# KiCad board SparkFun_Pro_Mini-ESP32_panelized.kicad_pcb (continued)
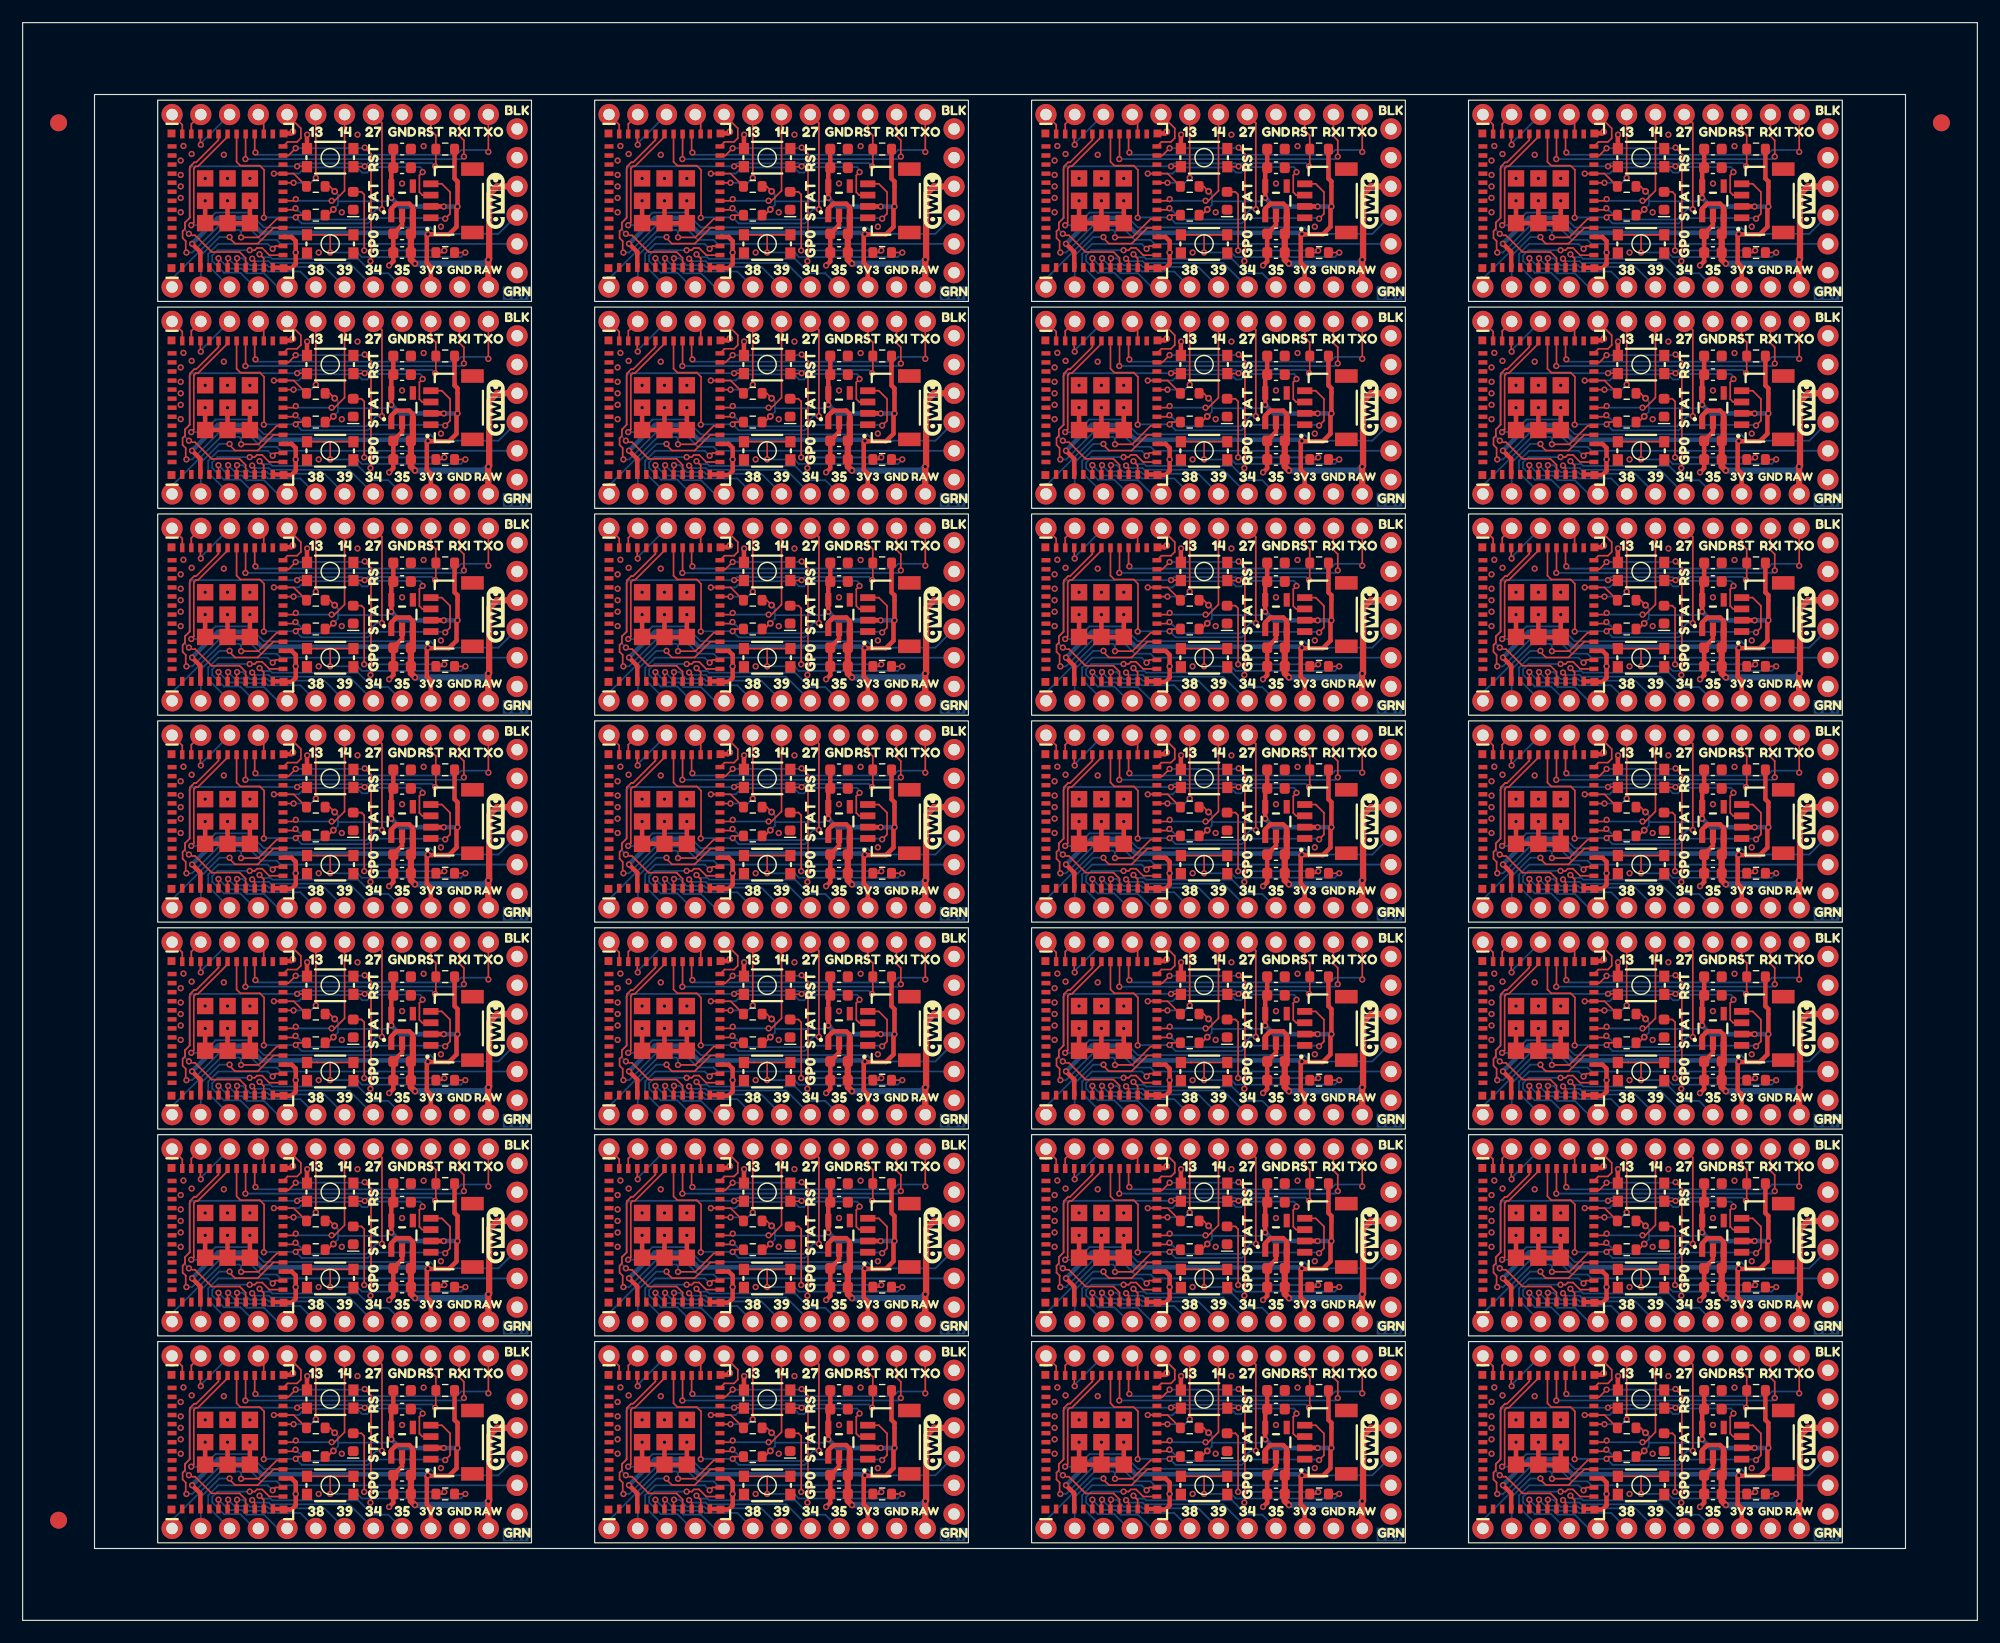
[diagram p0: board, top side]
## Placement (name value [footprint] x y rotation side) (continued)
kibuzzard-64DED707#12  G***  [kibuzzard-64DED707]  149.32 82.76 0 top
kibuzzard-64DED707#13  G***  [kibuzzard-64DED707]  110.72 82.76 0 top
kibuzzard-64DED707#14  G***  [kibuzzard-64DED707]  72.12 101.04 0 top
kibuzzard-64DED707#15  G***  [kibuzzard-64DED707]  33.52 101.04 0 top
kibuzzard-64DED707#16  G***  [kibuzzard-64DED707]  110.72 46.2 0 top
kibuzzard-64DED707#17  G***  [kibuzzard-64DED707]  72.12 82.76 0 top
kibuzzard-64DED707#18  G***  [kibuzzard-64DED707]  33.52 82.76 0 top
kibuzzard-64DED707#19  G***  [kibuzzard-64DED707]  72.12 27.92 0 top
kibuzzard-64DED707#20  G***  [kibuzzard-64DED707]  149.32 27.92 0 top
kibuzzard-64DED707#21  G***  [kibuzzard-64DED707]  110.72 9.64 0 top
kibuzzard-64DED707#22  G***  [kibuzzard-64DED707]  110.72 119.32 0 top
kibuzzard-64DED707#23  G***  [kibuzzard-64DED707]  72.12 46.2 0 top
kibuzzard-64DED707#24  G***  [kibuzzard-64DED707]  33.52 119.32 0 top
kibuzzard-64DED707#25  G***  [kibuzzard-64DED707]  72.12 9.64 0 top
kibuzzard-64DED707#26  G***  [kibuzzard-64DED707]  33.52 46.2 0 top
kibuzzard-64DED707#27  G***  [kibuzzard-64DED707]  33.52 27.92 0 top
kibuzzard-64DED707#28  G***  [kibuzzard-64DED707]  72.12 64.48 0 top
kibuzzard-64DED712  G***  [kibuzzard-64DED712]  28.44 101.04 0 top
kibuzzard-64DED712#2  G***  [kibuzzard-64DED712]  28.44 82.76 0 top
kibuzzard-64DED712#3  G***  [kibuzzard-64DED712]  105.64 9.64 0 top
kibuzzard-64DED712#4  G***  [kibuzzard-64DED712]  28.44 27.92 0 top
kibuzzard-64DED712#5  G***  [kibuzzard-64DED712]  28.44 46.2 0 top
kibuzzard-64DED712#6  G***  [kibuzzard-64DED712]  144.24 82.76 0 top
kibuzzard-64DED712#7  G***  [kibuzzard-64DED712]  144.24 64.48 0 top
kibuzzard-64DED712#8  G***  [kibuzzard-64DED712]  67.04 27.92 0 top
kibuzzard-64DED712#9  G***  [kibuzzard-64DED712]  105.64 82.76 0 top
kibuzzard-64DED712#10  G***  [kibuzzard-64DED712]  144.24 101.04 0 top
kibuzzard-64DED712#11  G***  [kibuzzard-64DED712]  144.24 119.32 0 top
kibuzzard-64DED712#12  G***  [kibuzzard-64DED712]  105.64 27.92 0 top
kibuzzard-64DED712#13  G***  [kibuzzard-64DED712]  105.64 101.04 0 top
kibuzzard-64DED712#14  G***  [kibuzzard-64DED712]  67.04 101.04 0 top
kibuzzard-64DED712#15  G***  [kibuzzard-64DED712]  67.04 9.64 0 top
kibuzzard-64DED712#16  G***  [kibuzzard-64DED712]  67.04 46.2 0 top
kibuzzard-64DED712#17  G***  [kibuzzard-64DED712]  67.04 82.76 0 top
kibuzzard-64DED712#18  G***  [kibuzzard-64DED712]  67.04 64.48 0 top
kibuzzard-64DED712#19  G***  [kibuzzard-64DED712]  144.24 46.2 0 top
kibuzzard-64DED712#20  G***  [kibuzzard-64DED712]  67.04 119.32 0 top
kibuzzard-64DED712#21  G***  [kibuzzard-64DED712]  105.64 119.32 0 top
kibuzzard-64DED712#22  G***  [kibuzzard-64DED712]  28.44 119.32 0 top
kibuzzard-64DED712#23  G***  [kibuzzard-64DED712]  144.24 9.64 0 top
kibuzzard-64DED712#24  G***  [kibuzzard-64DED712]  105.64 64.48 0 top
kibuzzard-64DED712#25  G***  [kibuzzard-64DED712]  28.44 64.48 0 top
kibuzzard-64DED712#26  G***  [kibuzzard-64DED712]  28.44 9.64 0 top
kibuzzard-64DED712#27  G***  [kibuzzard-64DED712]  144.24 27.92 0 top
kibuzzard-64DED712#28  G***  [kibuzzard-64DED712]  105.64 46.2 0 top
kibuzzard-64DED757  G***  [kibuzzard-64DED757]  82.28 117.42 0 top
kibuzzard-64DED757#2  G***  [kibuzzard-64DED757]  159.48 117.42 0 top
kibuzzard-64DED757#3  G***  [kibuzzard-64DED757]  159.48 62.58 0 top
kibuzzard-64DED757#4  G***  [kibuzzard-64DED757]  120.88 99.14 0 top
kibuzzard-64DED757#5  G***  [kibuzzard-64DED757]  120.88 117.42 0 top
kibuzzard-64DED757#6  G***  [kibuzzard-64DED757]  43.68 44.3 0 top
kibuzzard-64DED757#7  G***  [kibuzzard-64DED757]  43.68 80.86 0 top
kibuzzard-64DED757#8  G***  [kibuzzard-64DED757]  43.68 99.14 0 top
kibuzzard-64DED757#9  G***  [kibuzzard-64DED757]  159.48 44.3 0 top
kibuzzard-64DED757#10  G***  [kibuzzard-64DED757]  120.88 80.86 0 top
kibuzzard-64DED757#11  G***  [kibuzzard-64DED757]  82.28 7.74 0 top
kibuzzard-64DED757#12  G***  [kibuzzard-64DED757]  159.48 99.14 0 top
kibuzzard-64DED757#13  G***  [kibuzzard-64DED757]  82.28 99.14 0 top
kibuzzard-64DED757#14  G***  [kibuzzard-64DED757]  82.28 26.02 0 top
kibuzzard-64DED757#15  G***  [kibuzzard-64DED757]  120.88 44.3 0 top
kibuzzard-64DED757#16  G***  [kibuzzard-64DED757]  43.68 26.02 0 top
kibuzzard-64DED757#17  G***  [kibuzzard-64DED757]  82.28 62.58 0 top
kibuzzard-64DED757#18  G***  [kibuzzard-64DED757]  43.68 7.74 0 top
kibuzzard-64DED757#19  G***  [kibuzzard-64DED757]  82.28 44.3 0 top
kibuzzard-64DED757#20  G***  [kibuzzard-64DED757]  43.68 62.58 0 top
kibuzzard-64DED757#21  G***  [kibuzzard-64DED757]  120.88 26.02 0 top
kibuzzard-64DED757#22  G***  [kibuzzard-64DED757]  159.48 7.74 0 top
kibuzzard-64DED757#23  G***  [kibuzzard-64DED757]  159.48 80.86 0 top
kibuzzard-64DED757#24  G***  [kibuzzard-64DED757]  82.28 80.86 0 top
kibuzzard-64DED757#25  G***  [kibuzzard-64DED757]  120.88 62.58 0 top
kibuzzard-64DED757#26  G***  [kibuzzard-64DED757]  120.88 7.74 0 top
kibuzzard-64DED757#27  G***  [kibuzzard-64DED757]  43.68 117.42 0 top
kibuzzard-64DED757#28  G***  [kibuzzard-64DED757]  159.48 26.02 0 top
kibuzzard-64DED800  G***  [kibuzzard-64DED800]  15.74 58.4 180 bottom
kibuzzard-64DED800#2  G***  [kibuzzard-64DED800]  54.34 40.12 180 bottom
kibuzzard-64DED800#3  G***  [kibuzzard-64DED800]  131.54 131.52 180 bottom
kibuzzard-64DED800#4  G***  [kibuzzard-64DED800]  54.34 76.68 180 bottom
kibuzzard-64DED800#5  G***  [kibuzzard-64DED800]  54.34 58.4 180 bottom
kibuzzard-64DED800#6  G***  [kibuzzard-64DED800]  15.74 113.24 180 bottom
kibuzzard-64DED800#7  G***  [kibuzzard-64DED800]  131.54 76.68 180 bottom
kibuzzard-64DED800#8  G***  [kibuzzard-64DED800]  92.94 21.84 180 bottom
kibuzzard-64DED800#9  G***  [kibuzzard-64DED800]  15.74 76.68 180 bottom
kibuzzard-64DED800#10  G***  [kibuzzard-64DED800]  15.74 40.12 180 bottom
kibuzzard-64DED800#11  G***  [kibuzzard-64DED800]  131.54 94.96 180 bottom
kibuzzard-64DED800#12  G***  [kibuzzard-64DED800]  15.74 21.84 180 bottom
kibuzzard-64DED800#13  G***  [kibuzzard-64DED800]  92.94 58.4 180 bottom
kibuzzard-64DED800#14  G***  [kibuzzard-64DED800]  131.54 21.84 180 bottom
kibuzzard-64DED800#15  G***  [kibuzzard-64DED800]  54.34 131.52 180 bottom
kibuzzard-64DED800#16  G***  [kibuzzard-64DED800]  54.34 94.96 180 bottom
kibuzzard-64DED800#17  G***  [kibuzzard-64DED800]  92.94 76.68 180 bottom
kibuzzard-64DED800#18  G***  [kibuzzard-64DED800]  92.94 113.24 180 bottom
kibuzzard-64DED800#19  G***  [kibuzzard-64DED800]  92.94 94.96 180 bottom
kibuzzard-64DED800#20  G***  [kibuzzard-64DED800]  15.74 131.52 180 bottom
kibuzzard-64DED800#21  G***  [kibuzzard-64DED800]  131.54 58.4 180 bottom
kibuzzard-64DED800#22  G***  [kibuzzard-64DED800]  54.34 113.24 180 bottom
kibuzzard-64DED800#23  G***  [kibuzzard-64DED800]  92.94 40.12 180 bottom
kibuzzard-64DED800#24  G***  [kibuzzard-64DED800]  15.74 94.96 180 bottom
kibuzzard-64DED800#25  G***  [kibuzzard-64DED800]  131.54 40.12 180 bottom
kibuzzard-64DED800#26  G***  [kibuzzard-64DED800]  54.34 21.84 180 bottom
kibuzzard-64DED800#27  G***  [kibuzzard-64DED800]  131.54 113.24 180 bottom
kibuzzard-64DED800#28  G***  [kibuzzard-64DED800]  92.94 131.52 180 bottom
kibuzzard-64DED804  G***  [kibuzzard-64DED804]  51.8 113.24 180 bottom
kibuzzard-64DED804#2  G***  [kibuzzard-64DED804]  129 94.96 180 bottom
kibuzzard-64DED804#3  G***  [kibuzzard-64DED804]  13.2 40.12 180 bottom
kibuzzard-64DED804#4  G***  [kibuzzard-64DED804]  13.2 58.4 180 bottom
kibuzzard-64DED804#5  G***  [kibuzzard-64DED804]  129 131.52 180 bottom
kibuzzard-64DED804#6  G***  [kibuzzard-64DED804]  90.4 76.68 180 bottom
kibuzzard-64DED804#7  G***  [kibuzzard-64DED804]  129 113.24 180 bottom
kibuzzard-64DED804#8  G***  [kibuzzard-64DED804]  129 40.12 180 bottom
kibuzzard-64DED804#9  G***  [kibuzzard-64DED804]  90.4 131.52 180 bottom
kibuzzard-64DED804#10  G***  [kibuzzard-64DED804]  51.8 76.68 180 bottom
kibuzzard-64DED804#11  G***  [kibuzzard-64DED804]  13.2 76.68 180 bottom
kibuzzard-64DED804#12  G***  [kibuzzard-64DED804]  51.8 40.12 180 bottom
kibuzzard-64DED804#13  G***  [kibuzzard-64DED804]  129 21.84 180 bottom
kibuzzard-64DED804#14  G***  [kibuzzard-64DED804]  51.8 94.96 180 bottom
kibuzzard-64DED804#15  G***  [kibuzzard-64DED804]  90.4 40.12 180 bottom
kibuzzard-64DED804#16  G***  [kibuzzard-64DED804]  13.2 131.52 180 bottom
kibuzzard-64DED804#17  G***  [kibuzzard-64DED804]  90.4 113.24 180 bottom
kibuzzard-64DED804#18  G***  [kibuzzard-64DED804]  129 76.68 180 bottom
kibuzzard-64DED804#19  G***  [kibuzzard-64DED804]  129 58.4 180 bottom
kibuzzard-64DED804#20  G***  [kibuzzard-64DED804]  90.4 58.4 180 bottom
kibuzzard-64DED804#21  G***  [kibuzzard-64DED804]  13.2 94.96 180 bottom
kibuzzard-64DED804#22  G***  [kibuzzard-64DED804]  90.4 94.96 180 bottom
kibuzzard-64DED804#23  G***  [kibuzzard-64DED804]  51.8 131.52 180 bottom
kibuzzard-64DED804#24  G***  [kibuzzard-64DED804]  13.2 21.84 180 bottom
kibuzzard-64DED804#25  G***  [kibuzzard-64DED804]  51.8 58.4 180 bottom
kibuzzard-64DED804#26  G***  [kibuzzard-64DED804]  51.8 21.84 180 bottom
kibuzzard-64DED804#27  G***  [kibuzzard-64DED804]  13.2 113.24 180 bottom
kibuzzard-64DED804#28  G***  [kibuzzard-64DED804]  90.4 21.84 180 bottom
kibuzzard-64DEDA6E  G***  [kibuzzard-64DEDA6E]  128.87 18.79 180 bottom
kibuzzard-64DEDA6E#2  G***  [kibuzzard-64DEDA6E]  13.07 37.07 180 bottom
kibuzzard-64DEDA6E#3  G***  [kibuzzard-64DEDA6E]  90.27 55.35 180 bottom
kibuzzard-64DEDA6E#4  G***  [kibuzzard-64DEDA6E]  128.87 73.63 180 bottom
kibuzzard-64DEDA6E#5  G***  [kibuzzard-64DEDA6E]  51.67 55.35 180 bottom
kibuzzard-64DEDA6E#6  G***  [kibuzzard-64DEDA6E]  90.27 73.63 180 bottom
kibuzzard-64DEDA6E#7  G***  [kibuzzard-64DEDA6E]  90.27 110.19 180 bottom
kibuzzard-64DEDA6E#8  G***  [kibuzzard-64DEDA6E]  13.07 55.35 180 bottom
kibuzzard-64DEDA6E#9  G***  [kibuzzard-64DEDA6E]  128.87 128.47 180 bottom
kibuzzard-64DEDA6E#10  G***  [kibuzzard-64DEDA6E]  128.87 91.91 180 bottom
kibuzzard-64DEDA6E#11  G***  [kibuzzard-64DEDA6E]  13.07 18.79 180 bottom
kibuzzard-64DEDA6E#12  G***  [kibuzzard-64DEDA6E]  128.87 55.35 180 bottom
kibuzzard-64DEDA6E#13  G***  [kibuzzard-64DEDA6E]  13.07 73.63 180 bottom
kibuzzard-64DEDA6E#14  G***  [kibuzzard-64DEDA6E]  51.67 73.63 180 bottom
kibuzzard-64DEDA6E#15  G***  [kibuzzard-64DEDA6E]  51.67 91.91 180 bottom
kibuzzard-64DEDA6E#16  G***  [kibuzzard-64DEDA6E]  90.27 37.07 180 bottom
kibuzzard-64DEDA6E#17  G***  [kibuzzard-64DEDA6E]  51.67 18.79 180 bottom
kibuzzard-64DEDA6E#18  G***  [kibuzzard-64DEDA6E]  128.87 110.19 180 bottom
kibuzzard-64DEDA6E#19  G***  [kibuzzard-64DEDA6E]  90.27 91.91 180 bottom
kibuzzard-64DEDA6E#20  G***  [kibuzzard-64DEDA6E]  51.67 110.19 180 bottom
kibuzzard-64DEDA6E#21  G***  [kibuzzard-64DEDA6E]  90.27 128.47 180 bottom
kibuzzard-64DEDA6E#22  G***  [kibuzzard-64DEDA6E]  13.07 91.91 180 bottom
kibuzzard-64DEDA6E#23  G***  [kibuzzard-64DEDA6E]  51.67 37.07 180 bottom
kibuzzard-64DEDA6E#24  G***  [kibuzzard-64DEDA6E]  13.07 128.47 180 bottom
kibuzzard-64DEDA6E#25  G***  [kibuzzard-64DEDA6E]  128.87 37.07 180 bottom
kibuzzard-64DEDA6E#26  G***  [kibuzzard-64DEDA6E]  13.07 110.19 180 bottom
kibuzzard-64DEDA6E#27  G***  [kibuzzard-64DEDA6E]  51.67 128.47 180 bottom
kibuzzard-64DEDA6E#28  G***  [kibuzzard-64DEDA6E]  90.27 18.79 180 bottom
kibuzzard-64DEDA75  G***  [kibuzzard-64DEDA75]  129.63 108.92 180 bottom
kibuzzard-64DEDA75#2  G***  [kibuzzard-64DEDA75]  52.43 127.2 180 bottom
kibuzzard-64DEDA75#3  G***  [kibuzzard-64DEDA75]  129.63 35.8 180 bottom
kibuzzard-64DEDA75#4  G***  [kibuzzard-64DEDA75]  91.04 17.52 180 bottom
kibuzzard-64DEDA75#5  G***  [kibuzzard-64DEDA75]  129.63 72.36 180 bottom
kibuzzard-64DEDA75#6  G***  [kibuzzard-64DEDA75]  52.43 72.36 180 bottom
kibuzzard-64DEDA75#7  G***  [kibuzzard-64DEDA75]  91.04 90.64 180 bottom
kibuzzard-64DEDA75#8  G***  [kibuzzard-64DEDA75]  13.83 127.2 180 bottom
kibuzzard-64DEDA75#9  G***  [kibuzzard-64DEDA75]  91.04 108.92 180 bottom
kibuzzard-64DEDA75#10  G***  [kibuzzard-64DEDA75]  13.83 90.64 180 bottom
kibuzzard-64DEDA75#11  G***  [kibuzzard-64DEDA75]  129.63 17.52 180 bottom
kibuzzard-64DEDA75#12  G***  [kibuzzard-64DEDA75]  91.04 72.36 180 bottom
kibuzzard-64DEDA75#13  G***  [kibuzzard-64DEDA75]  129.63 90.64 180 bottom
kibuzzard-64DEDA75#14  G***  [kibuzzard-64DEDA75]  13.83 72.36 180 bottom
kibuzzard-64DEDA75#15  G***  [kibuzzard-64DEDA75]  13.83 54.08 180 bottom
kibuzzard-64DEDA75#16  G***  [kibuzzard-64DEDA75]  52.43 17.52 180 bottom
kibuzzard-64DEDA75#17  G***  [kibuzzard-64DEDA75]  13.83 17.52 180 bottom
kibuzzard-64DEDA75#18  G***  [kibuzzard-64DEDA75]  13.83 108.92 180 bottom
kibuzzard-64DEDA75#19  G***  [kibuzzard-64DEDA75]  91.04 127.2 180 bottom
kibuzzard-64DEDA75#20  G***  [kibuzzard-64DEDA75]  52.43 54.08 180 bottom
kibuzzard-64DEDA75#21  G***  [kibuzzard-64DEDA75]  13.83 35.8 180 bottom
kibuzzard-64DEDA75#22  G***  [kibuzzard-64DEDA75]  129.63 127.2 180 bottom
kibuzzard-64DEDA75#23  G***  [kibuzzard-64DEDA75]  52.43 90.64 180 bottom
kibuzzard-64DEDA75#24  G***  [kibuzzard-64DEDA75]  91.04 35.8 180 bottom
kibuzzard-64DEDA75#25  G***  [kibuzzard-64DEDA75]  129.63 54.08 180 bottom
kibuzzard-64DEDA75#26  G***  [kibuzzard-64DEDA75]  52.43 108.92 180 bottom
kibuzzard-64DEDA75#27  G***  [kibuzzard-64DEDA75]  91.04 54.08 180 bottom
kibuzzard-64DEDA75#28  G***  [kibuzzard-64DEDA75]  52.43 35.8 180 bottom
kibuzzard-64DEDAB2  G***  [kibuzzard-64DEDAB2]  53.07 74.9 180 bottom
kibuzzard-64DEDAB2#2  G***  [kibuzzard-64DEDAB2]  91.67 93.18 180 bottom
kibuzzard-64DEDAB2#3  G***  [kibuzzard-64DEDAB2]  53.07 111.46 180 bottom
kibuzzard-64DEDAB2#4  G***  [kibuzzard-64DEDAB2]  91.67 129.74 180 bottom
kibuzzard-64DEDAB2#5  G***  [kibuzzard-64DEDAB2]  130.27 93.18 180 bottom
kibuzzard-64DEDAB2#6  G***  [kibuzzard-64DEDAB2]  14.47 93.18 180 bottom
kibuzzard-64DEDAB2#7  G***  [kibuzzard-64DEDAB2]  53.07 38.34 180 bottom
kibuzzard-64DEDAB2#8  G***  [kibuzzard-64DEDAB2]  91.67 38.34 180 bottom
kibuzzard-64DEDAB2#9  G***  [kibuzzard-64DEDAB2]  130.27 111.46 180 bottom
kibuzzard-64DEDAB2#10  G***  [kibuzzard-64DEDAB2]  14.47 20.06 180 bottom
kibuzzard-64DEDAB2#11  G***  [kibuzzard-64DEDAB2]  53.07 20.06 180 bottom
kibuzzard-64DEDAB2#12  G***  [kibuzzard-64DEDAB2]  130.27 129.74 180 bottom
kibuzzard-64DEDAB2#13  G***  [kibuzzard-64DEDAB2]  91.67 20.06 180 bottom
kibuzzard-64DEDAB2#14  G***  [kibuzzard-64DEDAB2]  53.07 56.62 180 bottom
kibuzzard-64DEDAB2#15  G***  [kibuzzard-64DEDAB2]  14.47 129.74 180 bottom
kibuzzard-64DEDAB2#16  G***  [kibuzzard-64DEDAB2]  91.67 74.9 180 bottom
kibuzzard-64DEDAB2#17  G***  [kibuzzard-64DEDAB2]  53.07 93.18 180 bottom
kibuzzard-64DEDAB2#18  G***  [kibuzzard-64DEDAB2]  14.47 56.62 180 bottom
kibuzzard-64DEDAB2#19  G***  [kibuzzard-64DEDAB2]  130.27 56.62 180 bottom
kibuzzard-64DEDAB2#20  G***  [kibuzzard-64DEDAB2]  130.27 20.06 180 bottom
kibuzzard-64DEDAB2#21  G***  [kibuzzard-64DEDAB2]  91.67 111.46 180 bottom
kibuzzard-64DEDAB2#22  G***  [kibuzzard-64DEDAB2]  14.47 74.9 180 bottom
kibuzzard-64DEDAB2#23  G***  [kibuzzard-64DEDAB2]  130.27 38.34 180 bottom
kibuzzard-64DEDAB2#24  G***  [kibuzzard-64DEDAB2]  130.27 74.9 180 bottom
kibuzzard-64DEDAB2#25  G***  [kibuzzard-64DEDAB2]  14.47 111.46 180 bottom
kibuzzard-64DEDAB2#26  G***  [kibuzzard-64DEDAB2]  14.47 38.34 180 bottom
kibuzzard-64DEDAB2#27  G***  [kibuzzard-64DEDAB2]  53.07 129.74 180 bottom
kibuzzard-64DEDAB2#28  G***  [kibuzzard-64DEDAB2]  91.67 56.62 180 bottom
kibuzzard-64DEDB8E  G***  [kibuzzard-64DEDB8E]  149.32 76.68 180 bottom
kibuzzard-64DEDB8E#2  G***  [kibuzzard-64DEDB8E]  110.72 58.4 180 bottom
kibuzzard-64DEDB8E#3  G***  [kibuzzard-64DEDB8E]  149.32 21.84 180 bottom
kibuzzard-64DEDB8E#4  G***  [kibuzzard-64DEDB8E]  149.32 40.12 180 bottom
kibuzzard-64DEDB8E#5  G***  [kibuzzard-64DEDB8E]  33.52 131.52 180 bottom
kibuzzard-64DEDB8E#6  G***  [kibuzzard-64DEDB8E]  110.72 94.96 180 bottom
kibuzzard-64DEDB8E#7  G***  [kibuzzard-64DEDB8E]  110.72 131.52 180 bottom
kibuzzard-64DEDB8E#8  G***  [kibuzzard-64DEDB8E]  72.12 76.68 180 bottom
kibuzzard-64DEDB8E#9  G***  [kibuzzard-64DEDB8E]  110.72 21.84 180 bottom
kibuzzard-64DEDB8E#10  G***  [kibuzzard-64DEDB8E]  149.32 131.52 180 bottom
kibuzzard-64DEDB8E#11  G***  [kibuzzard-64DEDB8E]  33.52 76.68 180 bottom
kibuzzard-64DEDB8E#12  G***  [kibuzzard-64DEDB8E]  33.52 113.24 180 bottom
kibuzzard-64DEDB8E#13  G***  [kibuzzard-64DEDB8E]  149.32 94.96 180 bottom
kibuzzard-64DEDB8E#14  G***  [kibuzzard-64DEDB8E]  149.32 58.4 180 bottom
kibuzzard-64DEDB8E#15  G***  [kibuzzard-64DEDB8E]  72.12 131.52 180 bottom
kibuzzard-64DEDB8E#16  G***  [kibuzzard-64DEDB8E]  149.32 113.24 180 bottom
kibuzzard-64DEDB8E#17  G***  [kibuzzard-64DEDB8E]  33.52 94.96 180 bottom
kibuzzard-64DEDB8E#18  G***  [kibuzzard-64DEDB8E]  110.72 113.24 180 bottom
kibuzzard-64DEDB8E#19  G***  [kibuzzard-64DEDB8E]  110.72 40.12 180 bottom
kibuzzard-64DEDB8E#20  G***  [kibuzzard-64DEDB8E]  72.12 94.96 180 bottom
kibuzzard-64DEDB8E#21  G***  [kibuzzard-64DEDB8E]  33.52 58.4 180 bottom
kibuzzard-64DEDB8E#22  G***  [kibuzzard-64DEDB8E]  110.72 76.68 180 bottom
kibuzzard-64DEDB8E#23  G***  [kibuzzard-64DEDB8E]  33.52 40.12 180 bottom
kibuzzard-64DEDB8E#24  G***  [kibuzzard-64DEDB8E]  72.12 40.12 180 bottom
kibuzzard-64DEDB8E#25  G***  [kibuzzard-64DEDB8E]  72.12 21.84 180 bottom
kibuzzard-64DEDB8E#26  G***  [kibuzzard-64DEDB8E]  72.12 58.4 180 bottom
kibuzzard-64DEDB8E#27  G***  [kibuzzard-64DEDB8E]  72.12 113.24 180 bottom
kibuzzard-64DEDB8E#28  G***  [kibuzzard-64DEDB8E]  33.52 21.84 180 bottom
kibuzzard-64DEDB9E  G***  [kibuzzard-64DEDB9E]  72.12 40.12 0 top
kibuzzard-64DEDB9E#2  G***  [kibuzzard-64DEDB9E]  33.52 94.96 0 top
kibuzzard-64DEDB9E#3  G***  [kibuzzard-64DEDB9E]  110.72 21.84 0 top
kibuzzard-64DEDB9E#4  G***  [kibuzzard-64DEDB9E]  149.32 58.4 0 top
kibuzzard-64DEDB9E#5  G***  [kibuzzard-64DEDB9E]  110.72 58.4 0 top
kibuzzard-64DEDB9E#6  G***  [kibuzzard-64DEDB9E]  149.32 131.52 0 top
kibuzzard-64DEDB9E#7  G***  [kibuzzard-64DEDB9E]  72.12 94.96 0 top
kibuzzard-64DEDB9E#8  G***  [kibuzzard-64DEDB9E]  33.52 40.12 0 top
kibuzzard-64DEDB9E#9  G***  [kibuzzard-64DEDB9E]  33.52 76.68 0 top
kibuzzard-64DEDB9E#10  G***  [kibuzzard-64DEDB9E]  33.52 21.84 0 top
kibuzzard-64DEDB9E#11  G***  [kibuzzard-64DEDB9E]  149.32 21.84 0 top
kibuzzard-64DEDB9E#12  G***  [kibuzzard-64DEDB9E]  110.72 131.52 0 top
kibuzzard-64DEDB9E#13  G***  [kibuzzard-64DEDB9E]  110.72 40.12 0 top
kibuzzard-64DEDB9E#14  G***  [kibuzzard-64DEDB9E]  72.12 21.84 0 top
kibuzzard-64DEDB9E#15  G***  [kibuzzard-64DEDB9E]  110.72 76.68 0 top
kibuzzard-64DEDB9E#16  G***  [kibuzzard-64DEDB9E]  72.12 58.4 0 top
kibuzzard-64DEDB9E#17  G***  [kibuzzard-64DEDB9E]  33.52 58.4 0 top
kibuzzard-64DEDB9E#18  G***  [kibuzzard-64DEDB9E]  149.32 40.12 0 top
kibuzzard-64DEDB9E#19  G***  [kibuzzard-64DEDB9E]  72.12 131.52 0 top
kibuzzard-64DEDB9E#20  G***  [kibuzzard-64DEDB9E]  149.32 94.96 0 top
kibuzzard-64DEDB9E#21  G***  [kibuzzard-64DEDB9E]  33.52 131.52 0 top
kibuzzard-64DEDB9E#22  G***  [kibuzzard-64DEDB9E]  33.52 113.24 0 top
kibuzzard-64DEDB9E#23  G***  [kibuzzard-64DEDB9E]  149.32 76.68 0 top
kibuzzard-64DEDB9E#24  G***  [kibuzzard-64DEDB9E]  72.12 76.68 0 top
kibuzzard-64DEDB9E#25  G***  [kibuzzard-64DEDB9E]  110.72 113.24 0 top
kibuzzard-64DEDB9E#26  G***  [kibuzzard-64DEDB9E]  72.12 113.24 0 top
kibuzzard-64DEDB9E#27  G***  [kibuzzard-64DEDB9E]  149.32 113.24 0 top
kibuzzard-64DEDB9E#28  G***  [kibuzzard-64DEDB9E]  110.72 94.96 0 top
kibuzzard-64DEDB93  G***  [kibuzzard-64DEDB93]  36.06 113.24 180 bottom
kibuzzard-64DEDB93#2  G***  [kibuzzard-64DEDB93]  151.86 21.84 180 bottom
kibuzzard-64DEDB93#3  G***  [kibuzzard-64DEDB93]  36.06 76.68 180 bottom
kibuzzard-64DEDB93#4  G***  [kibuzzard-64DEDB93]  36.06 21.84 180 bottom
kibuzzard-64DEDB93#5  G***  [kibuzzard-64DEDB93]  74.66 21.84 180 bottom
kibuzzard-64DEDB93#6  G***  [kibuzzard-64DEDB93]  151.86 113.24 180 bottom
kibuzzard-64DEDB93#7  G***  [kibuzzard-64DEDB93]  36.06 40.12 180 bottom
kibuzzard-64DEDB93#8  G***  [kibuzzard-64DEDB93]  113.26 76.68 180 bottom
kibuzzard-64DEDB93#9  G***  [kibuzzard-64DEDB93]  151.86 40.12 180 bottom
kibuzzard-64DEDB93#10  G***  [kibuzzard-64DEDB93]  113.26 40.12 180 bottom
kibuzzard-64DEDB93#11  G***  [kibuzzard-64DEDB93]  113.26 131.52 180 bottom
kibuzzard-64DEDB93#12  G***  [kibuzzard-64DEDB93]  74.66 40.12 180 bottom
kibuzzard-64DEDB93#13  G***  [kibuzzard-64DEDB93]  151.86 58.4 180 bottom
kibuzzard-64DEDB93#14  G***  [kibuzzard-64DEDB93]  151.86 131.52 180 bottom
kibuzzard-64DEDB93#15  G***  [kibuzzard-64DEDB93]  74.66 131.52 180 bottom
kibuzzard-64DEDB93#16  G***  [kibuzzard-64DEDB93]  36.06 58.4 180 bottom
kibuzzard-64DEDB93#17  G***  [kibuzzard-64DEDB93]  151.86 94.96 180 bottom
kibuzzard-64DEDB93#18  G***  [kibuzzard-64DEDB93]  74.66 58.4 180 bottom
kibuzzard-64DEDB93#19  G***  [kibuzzard-64DEDB93]  36.06 94.96 180 bottom
kibuzzard-64DEDB93#20  G***  [kibuzzard-64DEDB93]  113.26 21.84 180 bottom
kibuzzard-64DEDB93#21  G***  [kibuzzard-64DEDB93]  113.26 113.24 180 bottom
kibuzzard-64DEDB93#22  G***  [kibuzzard-64DEDB93]  151.86 76.68 180 bottom
kibuzzard-64DEDB93#23  G***  [kibuzzard-64DEDB93]  36.06 131.52 180 bottom
kibuzzard-64DEDB93#24  G***  [kibuzzard-64DEDB93]  113.26 94.96 180 bottom
kibuzzard-64DEDB93#25  G***  [kibuzzard-64DEDB93]  74.66 113.24 180 bottom
kibuzzard-64DEDB93#26  G***  [kibuzzard-64DEDB93]  74.66 76.68 180 bottom
kibuzzard-64DEDB93#27  G***  [kibuzzard-64DEDB93]  74.66 94.96 180 bottom
kibuzzard-64DEDB93#28  G***  [kibuzzard-64DEDB93]  113.26 58.4 180 bottom
kibuzzard-64DEDB97  G***  [kibuzzard-64DEDB97]  151.86 21.84 0 top
kibuzzard-64DEDB97#2  G***  [kibuzzard-64DEDB97]  113.26 21.84 0 top
kibuzzard-64DEDB97#3  G***  [kibuzzard-64DEDB97]  36.06 76.68 0 top
kibuzzard-64DEDB97#4  G***  [kibuzzard-64DEDB97]  36.06 94.96 0 top
kibuzzard-64DEDB97#5  G***  [kibuzzard-64DEDB97]  151.86 113.24 0 top
kibuzzard-64DEDB97#6  G***  [kibuzzard-64DEDB97]  74.66 131.52 0 top
kibuzzard-64DEDB97#7  G***  [kibuzzard-64DEDB97]  74.66 58.4 0 top
kibuzzard-64DEDB97#8  G***  [kibuzzard-64DEDB97]  74.66 76.68 0 top
kibuzzard-64DEDB97#9  G***  [kibuzzard-64DEDB97]  151.86 131.52 0 top
kibuzzard-64DEDB97#10  G***  [kibuzzard-64DEDB97]  36.06 131.52 0 top
kibuzzard-64DEDB97#11  G***  [kibuzzard-64DEDB97]  151.86 94.96 0 top
kibuzzard-64DEDB97#12  G***  [kibuzzard-64DEDB97]  113.26 76.68 0 top
kibuzzard-64DEDB97#13  G***  [kibuzzard-64DEDB97]  151.86 40.12 0 top
kibuzzard-64DEDB97#14  G***  [kibuzzard-64DEDB97]  74.66 113.24 0 top
kibuzzard-64DEDB97#15  G***  [kibuzzard-64DEDB97]  36.06 21.84 0 top
kibuzzard-64DEDB97#16  G***  [kibuzzard-64DEDB97]  74.66 40.12 0 top
kibuzzard-64DEDB97#17  G***  [kibuzzard-64DEDB97]  36.06 58.4 0 top
kibuzzard-64DEDB97#18  G***  [kibuzzard-64DEDB97]  113.26 40.12 0 top
kibuzzard-64DEDB97#19  G***  [kibuzzard-64DEDB97]  74.66 94.96 0 top
kibuzzard-64DEDB97#20  G***  [kibuzzard-64DEDB97]  113.26 94.96 0 top
kibuzzard-64DEDB97#21  G***  [kibuzzard-64DEDB97]  74.66 21.84 0 top
kibuzzard-64DEDB97#22  G***  [kibuzzard-64DEDB97]  113.26 113.24 0 top
kibuzzard-64DEDB97#23  G***  [kibuzzard-64DEDB97]  36.06 113.24 0 top
kibuzzard-64DEDB97#24  G***  [kibuzzard-64DEDB97]  113.26 58.4 0 top
kibuzzard-64DEDB97#25  G***  [kibuzzard-64DEDB97]  151.86 76.68 0 top
kibuzzard-64DEDB97#26  G***  [kibuzzard-64DEDB97]  36.06 40.12 0 top
kibuzzard-64DEDB97#27  G***  [kibuzzard-64DEDB97]  151.86 58.4 0 top
kibuzzard-64DEDB97#28  G***  [kibuzzard-64DEDB97]  113.26 131.52 0 top
kibuzzard-64DEDBD5  G***  [kibuzzard-64DEDBD5]  154.4 101.04 180 bottom
kibuzzard-64DEDBD5#2  G***  [kibuzzard-64DEDBD5]  77.2 101.04 180 bottom
kibuzzard-64DEDBD5#3  G***  [kibuzzard-64DEDBD5]  77.2 64.48 180 bottom
kibuzzard-64DEDBD5#4  G***  [kibuzzard-64DEDBD5]  115.8 64.48 180 bottom
kibuzzard-64DEDBD5#5  G***  [kibuzzard-64DEDBD5]  77.2 9.64 180 bottom
kibuzzard-64DEDBD5#6  G***  [kibuzzard-64DEDBD5]  77.2 46.2 180 bottom
kibuzzard-64DEDBD5#7  G***  [kibuzzard-64DEDBD5]  115.8 9.64 180 bottom
kibuzzard-64DEDBD5#8  G***  [kibuzzard-64DEDBD5]  77.2 27.92 180 bottom
kibuzzard-64DEDBD5#9  G***  [kibuzzard-64DEDBD5]  38.6 46.2 180 bottom
kibuzzard-64DEDBD5#10  G***  [kibuzzard-64DEDBD5]  115.8 119.32 180 bottom
kibuzzard-64DEDBD5#11  G***  [kibuzzard-64DEDBD5]  38.6 119.32 180 bottom
kibuzzard-64DEDBD5#12  G***  [kibuzzard-64DEDBD5]  154.4 64.48 180 bottom
kibuzzard-64DEDBD5#13  G***  [kibuzzard-64DEDBD5]  154.4 119.32 180 bottom
kibuzzard-64DEDBD5#14  G***  [kibuzzard-64DEDBD5]  154.4 27.92 180 bottom
kibuzzard-64DEDBD5#15  G***  [kibuzzard-64DEDBD5]  115.8 82.76 180 bottom
kibuzzard-64DEDBD5#16  G***  [kibuzzard-64DEDBD5]  38.6 82.76 180 bottom
kibuzzard-64DEDBD5#17  G***  [kibuzzard-64DEDBD5]  38.6 27.92 180 bottom
kibuzzard-64DEDBD5#18  G***  [kibuzzard-64DEDBD5]  38.6 9.64 180 bottom
kibuzzard-64DEDBD5#19  G***  [kibuzzard-64DEDBD5]  115.8 27.92 180 bottom
kibuzzard-64DEDBD5#20  G***  [kibuzzard-64DEDBD5]  115.8 46.2 180 bottom
kibuzzard-64DEDBD5#21  G***  [kibuzzard-64DEDBD5]  77.2 119.32 180 bottom
